# KiCad board panel.kicad_pcb (continued)
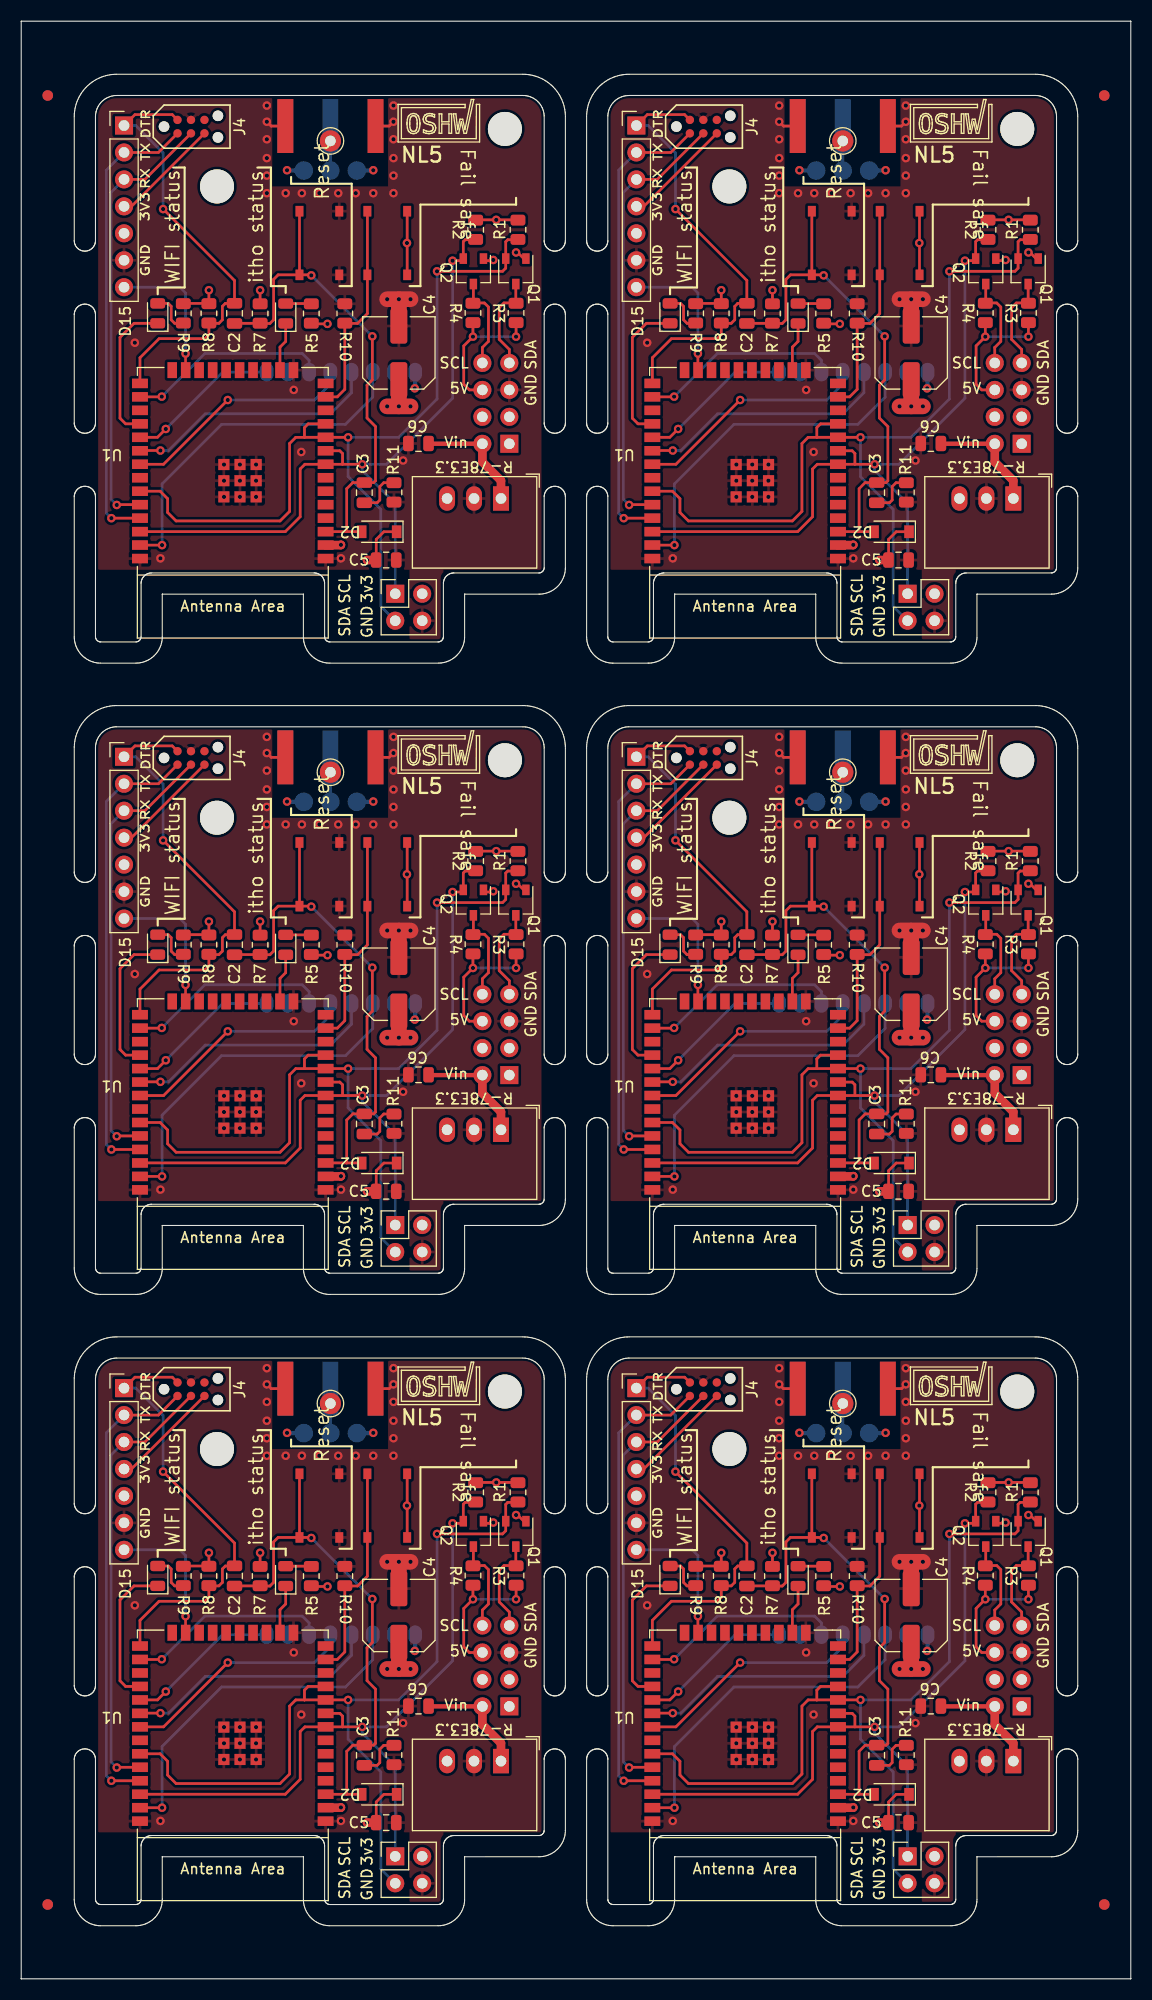
[diagram p0: board, top side]
## Nets (continued)
Board_2-unconnected-(U2-Pad7): U2#3.7
Board_3-+3V3: C4#5.1 C5#2.1 D2#5.1 J1#6.4 J4#5.5 J5#3.2 Q1#5.1 Q2.1 R1#2.2 R2.1 R5#3.1 R7#5.2 R8#6.2 R9.1 R-78E3.3#5.3 SW1#4.2 U1.2 U2.1
Board_3-+5V: J2#3.6 R3.2 R4#6.2
Board_3-+15V: C6#4.1 J2#3.2 R-78E3.3#5.1
Board_3-D0: C2#4.2 J1#6.1 J4#5.2 R8#6.1 U1.25
Board_3-D0/RX0: J1#6.3 J4#5.3 U1.34
Board_3-D1/TX0: J1#6.2 J4#5.1 U1.35
Board_3-D4_IRQ: U1.26 U2.6
Board_3-D5_SS: U1.29 U2.8
Board_3-D13: LED2#3.1 U1.16
Board_3-D15: J1#6.7 U1.23
Board_3-D17: LED1#6.1 U1.28
Board_3-D18_SCK: U1.30 U2.4
Board_3-D19_MISO: U1.31 U2.5
Board_3-D23_MOSI: U1.37 U2.3
Board_3-GND: C4#5.2 C5#2.2 C6#4.2 J1#6.6 J2#3.5 J3#2.2 J4#5.4 J5#3.4 R10#4.1 R11#2.1 R-78E3.3#5.2 SW2#3.1 U1.1 U1.15 U1.38 U1.39 U2.2 U2.9 U2.11
Board_3-Net-(C2-Pad1): C2#4.1 C3#2.2 D2#5.2 R7#5.1 SW2#3.2 U1.3
Board_3-Net-(C3-Pad1): C3#2.1 R11#2.2
Board_3-Net-(H1-Pad1): H1.1 J3#2.1 U2.10
Board_3-Net-(LED1-Pad2): LED1#6.2 R9.2
Board_3-Net-(LED2-Pad2): LED2#3.2 R5#3.2
Board_3-Net-(R10-Pad2): R10#4.2 SW1#4.1 U1.13
Board_3-SCL: J2#3.8 Q2.3 R4#6.1
Board_3-SCL_L: J5#3.1 Q2.2 R2.2 U1.8 U1.9 U1.36
Board_3-SDA: J2#3.7 Q1#5.3 R3.1
Board_3-SDA_L: J5#3.3 Q1#5.2 R1#2.1 U1.10 U1.11 U1.33
Board_3-unconnected-(J1-Pad5): J1#6.5
Board_3-unconnected-(J2-Pad1): J2#3.1
Board_3-unconnected-(J2-Pad3): J2#3.3
Board_3-unconnected-(J2-Pad4): J2#3.4
Board_3-unconnected-(J4-Pad6): J4#5.6
Board_3-unconnected-(U1-Pad4): U1.4
Board_3-unconnected-(U1-Pad5): U1.5
Board_3-unconnected-(U1-Pad6): U1.6
Board_3-unconnected-(U1-Pad7): U1.7
Board_3-unconnected-(U1-Pad12): U1.12
Board_3-unconnected-(U1-Pad14): U1.14
Board_3-unconnected-(U1-Pad17): U1.17
Board_3-unconnected-(U1-Pad18): U1.18
Board_3-unconnected-(U1-Pad19): U1.19
Board_3-unconnected-(U1-Pad20): U1.20
Board_3-unconnected-(U1-Pad21): U1.21
Board_3-unconnected-(U1-Pad22): U1.22
Board_3-unconnected-(U1-Pad24): U1.24
Board_3-unconnected-(U1-Pad27): U1.27
Board_3-unconnected-(U1-Pad32): U1.32
Board_3-unconnected-(U2-Pad7): U2.7
Board_4-+3V3: C4#2.1 C5#4.1 D2#4.1 J1#3.4 J4#4.5 J5#4.2 Q1.1 Q2#5.1 R1#5.2 R2#5.1 R5#5.1 R7.2 R8#4.2 R9#2.1 R-78E3.3#6.3 SW1#6.2 U1#4.2 U2#2.1
Board_4-+5V: J2#5.6 R3#5.2 R4#3.2
Board_4-+15V: C6#2.1 J2#5.2 R-78E3.3#6.1
Board_4-D0: C2#6.2 J1#3.1 J4#4.2 R8#4.1 U1#4.25
Board_4-D0/RX0: J1#3.3 J4#4.3 U1#4.34
Board_4-D1/TX0: J1#3.2 J4#4.1 U1#4.35
Board_4-D4_IRQ: U1#4.26 U2#2.6
Board_4-D5_SS: U1#4.29 U2#2.8
Board_4-D13: LED2#6.1 U1#4.16
Board_4-D15: J1#3.7 U1#4.23
Board_4-D17: LED1#3.1 U1#4.28
Board_4-D18_SCK: U1#4.30 U2#2.4
Board_4-D19_MISO: U1#4.31 U2#2.5
Board_4-D23_MOSI: U1#4.37 U2#2.3
Board_4-GND: C4#2.2 C5#4.2 C6#2.2 J1#3.6 J2#5.5 J3#5.2 J4#4.4 J5#4.4 R10#5.1 R11#3.1 R-78E3.3#6.2 SW2#4.1 U1#4.1 U1#4.15 U1#4.38 U1#4.39 U2#2.2 U2#2.9 U2#2.11
Board_4-Net-(C2-Pad1): C2#6.1 C3#4.2 D2#4.2 R7.1 SW2#4.2 U1#4.3
Board_4-Net-(C3-Pad1): C3#4.1 R11#3.2
Board_4-Net-(H1-Pad1): H1#2.1 J3#5.1 U2#2.10
Board_4-Net-(LED1-Pad2): LED1#3.2 R9#2.2
Board_4-Net-(LED2-Pad2): LED2#6.2 R5#5.2
Board_4-Net-(R10-Pad2): R10#5.2 SW1#6.1 U1#4.13
Board_4-SCL: J2#5.8 Q2#5.3 R4#3.1
Board_4-SCL_L: J5#4.1 Q2#5.2 R2#5.2 U1#4.8 U1#4.9 U1#4.36
Board_4-SDA: J2#5.7 Q1.3 R3#5.1
Board_4-SDA_L: J5#4.3 Q1.2 R1#5.1 U1#4.10 U1#4.11 U1#4.33
Board_4-unconnected-(J1-Pad5): J1#3.5
Board_4-unconnected-(J2-Pad1): J2#5.1
Board_4-unconnected-(J2-Pad3): J2#5.3
Board_4-unconnected-(J2-Pad4): J2#5.4
Board_4-unconnected-(J4-Pad6): J4#4.6
Board_4-unconnected-(U1-Pad4): U1#4.4
Board_4-unconnected-(U1-Pad5): U1#4.5
Board_4-unconnected-(U1-Pad6): U1#4.6
Board_4-unconnected-(U1-Pad7): U1#4.7
Board_4-unconnected-(U1-Pad12): U1#4.12
Board_4-unconnected-(U1-Pad14): U1#4.14
Board_4-unconnected-(U1-Pad17): U1#4.17
Board_4-unconnected-(U1-Pad18): U1#4.18
Board_4-unconnected-(U1-Pad19): U1#4.19
Board_4-unconnected-(U1-Pad20): U1#4.20
Board_4-unconnected-(U1-Pad21): U1#4.21
Board_4-unconnected-(U1-Pad22): U1#4.22
Board_4-unconnected-(U1-Pad24): U1#4.24
Board_4-unconnected-(U1-Pad27): U1#4.27
Board_4-unconnected-(U1-Pad32): U1#4.32
Board_4-unconnected-(U2-Pad7): U2#2.7
Board_5-+3V3: C4#6.1 C5#5.1 D2#2.1 J1.4 J4#3.5 J5.2 Q1#6.1 Q2#2.1 R1#4.2 R2#6.1 R5.1 R7#2.2 R8#3.2 R9#5.1 R-78E3.3#4.3 SW1.2 U1#3.2 U2#4.1
Board_5-+5V: J2#2.6 R3#4.2 R4#5.2
Board_5-+15V: C6#5.1 J2#2.2 R-78E3.3#4.1
Board_5-D0: C2#5.2 J1.1 J4#3.2 R8#3.1 U1#3.25
Board_5-D0/RX0: J1.3 J4#3.3 U1#3.34
Board_5-D1/TX0: J1.2 J4#3.1 U1#3.35
Board_5-D4_IRQ: U1#3.26 U2#4.6
Board_5-D5_SS: U1#3.29 U2#4.8
Board_5-D13: LED2.1 U1#3.16
Board_5-D15: J1.7 U1#3.23
Board_5-D17: LED1#4.1 U1#3.28
Board_5-D18_SCK: U1#3.30 U2#4.4
Board_5-D19_MISO: U1#3.31 U2#4.5
Board_5-D23_MOSI: U1#3.37 U2#4.3
Board_5-GND: C4#6.2 C5#5.2 C6#5.2 J1.6 J2#2.5 J3#3.2 J4#3.4 J5.4 R10#2.1 R11#6.1 R-78E3.3#4.2 SW2#2.1 U1#3.1 U1#3.15 U1#3.38 U1#3.39 U2#4.2 U2#4.9 U2#4.11
Board_5-Net-(C2-Pad1): C2#5.1 C3.2 D2#2.2 R7#2.1 SW2#2.2 U1#3.3
Board_5-Net-(C3-Pad1): C3.1 R11#6.2
Board_5-Net-(H1-Pad1): H1#3.1 J3#3.1 U2#4.10
Board_5-Net-(LED1-Pad2): LED1#4.2 R9#5.2
Board_5-Net-(LED2-Pad2): LED2.2 R5.2
Board_5-Net-(R10-Pad2): R10#2.2 SW1.1 U1#3.13
Board_5-SCL: J2#2.8 Q2#2.3 R4#5.1
Board_5-SCL_L: J5.1 Q2#2.2 R2#6.2 U1#3.8 U1#3.9 U1#3.36
Board_5-SDA: J2#2.7 Q1#6.3 R3#4.1
Board_5-SDA_L: J5.3 Q1#6.2 R1#4.1 U1#3.10 U1#3.11 U1#3.33
Board_5-unconnected-(J1-Pad5): J1.5
Board_5-unconnected-(J2-Pad1): J2#2.1
Board_5-unconnected-(J2-Pad3): J2#2.3
Board_5-unconnected-(J2-Pad4): J2#2.4
Board_5-unconnected-(J4-Pad6): J4#3.6
Board_5-unconnected-(U1-Pad4): U1#3.4
Board_5-unconnected-(U1-Pad5): U1#3.5
Board_5-unconnected-(U1-Pad6): U1#3.6
Board_5-unconnected-(U1-Pad7): U1#3.7
Board_5-unconnected-(U1-Pad12): U1#3.12
Board_5-unconnected-(U1-Pad14): U1#3.14
Board_5-unconnected-(U1-Pad17): U1#3.17
Board_5-unconnected-(U1-Pad18): U1#3.18
Board_5-unconnected-(U1-Pad19): U1#3.19
Board_5-unconnected-(U1-Pad20): U1#3.20
Board_5-unconnected-(U1-Pad21): U1#3.21
Board_5-unconnected-(U1-Pad22): U1#3.22
Board_5-unconnected-(U1-Pad24): U1#3.24
Board_5-unconnected-(U1-Pad27): U1#3.27
Board_5-unconnected-(U1-Pad32): U1#3.32
Board_5-unconnected-(U2-Pad7): U2#4.7

## Via types
v1: diameter 0.8, hole 0.4, Top to Bottom, 408 vias

## Routing (per net, layer and track width the routed paths; a pad name or vN(x,y) marks a point on that pad's centre or on a via; arc(x,y) is an arc through that point)
Board_0-+3V3: length 41.8
  Top w0.25: J4#6.5 10.39,167.05 J1#5.4 ; 33.47,133.72 33.47,135.66 34.19,136.38 D2.1
  Top w0.254: v1(46.65,162.71) 46.8,162.71 47.57,161.93 ; v1(17.69,159.15) 17.69,157.9 15.28,157.9 ; 42.84,165.78 v1(44.78,165.78) 46.83,165.78 ; v1(28.87,155.98) 27.38,155.98 27.35,156.01 ; v1(44.5,162) 44.43,161.93 43.58,161.93 ; 22.52,157.89 v1(22.52,159.15) ; SW1#5.2 SW1#5.2
  Top w0.813: 33.47,133.72 32.6,133.72 ; v1(30.14,135.15) 30.12,135.12 U1#6.2
  Top w1.473: v1(36.7,148.2) v1(34.5,148.2) ; C4#3.1 v1(35.6,148.2)
  Bottom w0.406: v1(37.1,149.9) 37.14,149.94 U2#5.1
  vias: v1(32.6,133.72) v1(36.36,163.6)
Board_0-+5V: length 13.5
  Top w0.254: 46.65,156.07 v1(46.65,154.77) ; 42.59,156.07 v1(42.59,154.77) 41.72,153.9 41.72,150.28 42.25,149.75 J2#6.6
  Bottom w0.254: v1(46.65,154.77) v1(42.59,154.77)
Board_0-+15V: length 11
  Top w0.406: C6#3.1 38.43,144.67 J2#6.2
  Top w0.813: J2#6.2 43.48,142.96 45.23,141.21 R-78E3.3.1
Board_0-D0: length 42.2
  Top w0.25: J1#5.1 10.72,175.7 14.24,175.7 J4#6.2
  Top w0.254: U1#6.25 11.2,152.78 13,154.58 17.31,154.58 17.69,154.96 17.69,156.03 18.64,156.03 18.96,156.36 18.96,157.63 19.24,157.9 20.11,157.9 20.11,160.07 v1(13.38,166.8)
  Bottom w0.254: v1(13.38,166.8) 13.38,172.09 10.8,174.67 J1#5.1
Board_0-D0/RX0: length 41.6
  Top w0.25: 15.93,173.86 11.66,169.59 J1#5.3
  Top w0.254: U1#6.34 9.03,138.93
  Bottom w0.25: J1#5.3 8.47,168.36 8.47,139.45 v1(9.01,138.91)
Board_0-D1/TX0: length 43.8
  Top w0.25: J1#5.2 12.93,172.13 J4#6.1
  Top w0.254: v1(8.5,137.66) 11.19,137.66 U1#6.35
  Bottom w0.25: J1#5.2 8.02,170.45 8.02,138.15 v1(8.5,137.66)
Board_0-D4_IRQ: length 19
  Top w0.254: v1(13.25,149.12) 13.23,149.09 U1#6.26
  Bottom w0.254: U2#5.6 27.14,152.54 26.49,153.18 17.31,153.18 v1(13.25,149.12)
Board_0-D5_SS: length 14.5
  Top w0.254: U1#6.29 12.84,145.28 v1(13.63,146.07)
  Bottom w0.254: U2#5.8 18.99,151.43 v1(13.63,146.07)
Board_0-D13: length 4.6
  Top w0.254: U1#6.16 24.4,153.79 24.93,154.32 LED2#2.1
Board_0-D15: length 13.3
  Top w0.25: U1#6.23 15.49,151.63 v1(15.49,153.17)
  Bottom w0.25: v1(15.49,153.17) 15.49,158.89 14.95,159.43 J1#5.7
Board_0-D17: length 13.8
  Top w0.254: U1#6.28 9.84,146.55 9.31,147.09 9.31,154.71 10.64,156.03 LED1#5.1
Board_0-D18_SCK: length 24.2
  Top w0.254: v1(13.12,144.04) 11.22,144.04 U1#6.30
  Bottom w0.254: U2#5.4 31.14,149.48 29.16,147.5 17.35,147.5 13.88,144.04 v1(13.12,144.04)
Board_0-D19_MISO: length 22
  Top w0.254: v1(19.47,148.8) 13.41,142.74 11.45,142.74
  Bottom w0.254: U2#5.5 29.14,150.3 27.64,148.8 v1(19.47,148.8)
Board_0-D23_MOSI: length 33.5
  Top w0.254: v1(13.28,135.12) 11.2,135.12 U1#6.37
  Bottom w0.254: U2#5.3 33.14,149.07 30.57,146.5 18.89,146.5 13.28,140.89 v1(13.28,135.12)
Board_0-GND: length 15.4
  Top w0.25: v1(23.16,175.03) 23.56,174.62 J3#6.2 ; v1(35.09,175.03) 34.69,174.62 J3#6.2
  Top w1.473: v1(36.7,158.3) v1(34.5,158.3) ; C4#3.2 v1(35.6,158.3)
  Bottom w0.25: J3#6.2 34.69,174.62 v1(35.09,175.03) ; J3#6.2 23.56,174.62 v1(23.16,175.03)
  Bottom w0.406: v1(25.06,170.45) 25.09,170.43 26.64,170.43 ; 31.64,170.43 33.16,170.43 v1(33.19,170.45)
  vias: v1(10.71,154.2) v1(13.12,133.88) v1(19.12,142.72) v1(19.12,141.19) v1(19.12,139.67) v1(20.62,142.72) v1(20.62,141.19) v1(20.62,139.67) v1(22.14,142.72) v1(22.14,141.19) v1(22.14,139.67) v1(23.16,176.55) v1(23.16,173.38) v1(23.16,171.6) v1(23.16,169.95) v1(23.16,168.3) v1(24.93,168.3) v1(25.7,149.75) v1(26.4,143.9) v1(26.46,168.3) v1(28.11,168.3) v1(29.89,168.3) v1(30.14,133.88) v1(31.54,168.3) v1(33.19,168.3) v1(35.09,176.55) v1(35.09,173.38) v1(35.09,171.6) v1(35.09,169.95) v1(35.09,168.3) v1(36,143.1)
Board_0-Net-(C2-Pad1): length 50.2
  Top w0.25: 30.69,136.39 30.69,140.44 31.26,141.02 C3#6.2 33.23,141.02 33.4,141.19 33.4,146.3 ; 30.69,136.39 32.08,136.39 D2.2 ; 30.69,136.39 28.7,136.39 U1#6.3
  Top w0.254: 20.11,156.03 22.51,156.03 22.52,156.01 23.45,156.01 23.79,156.36 23.79,160.17 24.22,160.6 SW2#5.2 ; 33.4,146.3 32.6,147.1 32.6,150.2 33.1,150.7 v1(33.1,154.8) ; SW2#5.2 SW2#5.2 ; SW2#5.2 27.3,160.6 v1(27.35,160.55)
  Bottom w0.254: v1(33.1,154.8) 27.35,160.55 v1(27.35,160.55)
Board_0-Net-(C3-Pad1): length 4.3
  Top w0.25: R11#4.2 34.17,141 33.81,140.64 33.81,139.37 33.55,139.12 C3#6.1
Board_0-Net-(H1-Pad1): length 4.2
  Bottom w0.293: J3#6.1 29.14,174.61 29.14,170.43
Board_0-Net-(LED1-Pad2): length 3.9
  Top w0.254: LED1#5.2 13.86,157.9 14.14,157.63 14.14,156.36 14.47,156.03 15.28,156.03
Board_0-Net-(LED2-Pad2): length 2.4
  Top w0.254: LED2#2.2 27.35,157.89
Board_0-Net-(R10-Pad2): length 20.5
  Top w0.254: SW1#5.1 SW1#5.1 32.63,156.95 31.71,156.02 30.5,156.02 30.5,149.8 29.79,149.09 U1#6.13
Board_0-SCL: length 9.1
  Top w0.254: 42.63,159.93 42.63,157.99 42.59,157.94 43.67,157.94 44.05,157.56 44.05,154.32 43.48,153.75 J2#6.8
Board_0-SCL_L: length 70.3
  Top w0.254: 30.29,142.74 28.7,142.74 U1#6.8 26.74,142.74 26.3,142.3 26.3,137.8 24.89,136.39 11.45,136.39 ; 30.29,142.74 30.29,143.76 30.04,144.01 U1#6.9 ; 30.29,142.74 v1(32.14,142.74) ; v1(40.66,161.93) 41.68,161.93 41.68,163.73 41.85,163.91 42.84,163.91
  Bottom w0.254: v1(40.66,161.93) 40.66,148.97 34.44,142.74 v1(32.14,142.74) 32.14,142.16 35.26,139.04 J5#6.1
Board_0-SDA: length 9.4
  Top w0.254: 46.62,159.93 46.62,157.97 46.65,157.94 45.51,157.94 45.06,157.5 45.06,154.52 46.02,153.56 J2#6.7
Board_0-SDA_L: length 83
  Top w0.254: U1#6.11 27.05,146.55 26.7,146.2 26.7,145.28 ; 46.83,163.91 45.87,163.91 45.67,163.71 45.67,161.22 45.38,160.93 v1(39.2,160.93) ; U1#6.33 13.1,140.2 13.8,139.5 13.8,138.2 14.6,137.4 24.4,137.4 25.3,138.3 25.3,144.7 25.88,145.28 26.7,145.28 ; 26.7,145.28 26.7,145.28 30.82,145.28 v1(30.82,145.28)
  Bottom w0.254: v1(39.2,160.93) 39.2,148.9 35.58,145.28 v1(30.82,145.28) 30.82,141.58 33.9,138.5 33.9,129.36 J5#6.3
Board_1-+3V3: length 41.8
  Top w0.25: J4.5 58.69,167.05 J1#2.4 ; 81.77,133.72 81.77,135.66 82.49,136.38 D2#6.1
  Top w0.254: v1(94.95,162.71) 95.1,162.71 95.87,161.93 ; v1(65.99,159.15) 65.99,157.9 63.58,157.9 ; 91.14,165.78 v1(93.08,165.78) 95.13,165.78 ; v1(77.17,155.98) 75.69,155.98 75.65,156.01 ; v1(92.8,162) 92.73,161.93 91.88,161.93 ; 70.82,157.89 v1(70.82,159.15) ; SW1#2.2 SW1#2.2
  Top w0.813: 81.77,133.72 80.9,133.72 ; v1(78.44,135.15) 78.42,135.12 U1#2.2
  Top w1.473: v1(85,148.2) v1(82.8,148.2) ; C4.1 v1(83.9,148.2)
  Bottom w0.406: v1(85.4,149.9) 85.44,149.94 U2#6.1
  vias: v1(80.9,133.72) v1(84.66,163.6)
Board_1-+5V: length 13.5
  Top w0.254: 94.95,156.07 v1(94.95,154.77) ; 90.89,156.07 v1(90.89,154.77) 90.02,153.9 90.02,150.28 90.55,149.75 91.78,149.75
  Bottom w0.254: v1(94.95,154.77) v1(90.89,154.77)
Board_1-+15V: length 11
  Top w0.406: C6.1 86.73,144.67 91.78,144.67
  Top w0.813: 91.78,144.67 91.78,142.96 93.53,141.21 R-78E3.3#3.1
Board_1-D0: length 42.2
  Top w0.25: J1#2.1 59.02,175.7 62.54,175.7 J4.2
  Top w0.254: U1#2.25 59.5,152.78 61.3,154.58 65.61,154.58 65.99,154.96 65.99,156.03 66.94,156.03 67.26,156.36 67.26,157.63 67.54,157.9 68.41,157.9 68.41,160.07 v1(61.68,166.8)
  Bottom w0.254: v1(61.68,166.8) 61.68,172.09 59.1,174.67 J1#2.1
Board_1-D0/RX0: length 41.6
  Top w0.25: 64.23,173.86 59.96,169.59 J1#2.3
  Top w0.254: U1#2.34 57.33,138.93
  Bottom w0.25: J1#2.3 56.77,168.36 56.77,139.45 v1(57.31,138.91)
Board_1-D1/TX0: length 43.8
  Top w0.25: J1#2.2 61.23,172.13 J4.1
  Top w0.254: v1(56.8,137.66) 59.49,137.66 U1#2.35
  Bottom w0.25: J1#2.2 56.32,170.45 56.32,138.15 v1(56.8,137.66)
Board_1-D4_IRQ: length 19
  Top w0.254: v1(61.55,149.12) 61.53,149.09 U1#2.26
  Bottom w0.254: U2#6.6 75.44,152.54 74.79,153.18 65.61,153.18 v1(61.55,149.12)
Board_1-D5_SS: length 14.5
  Top w0.254: U1#2.29 61.14,145.28 v1(61.93,146.07)
  Bottom w0.254: U2#6.8 67.29,151.43 v1(61.93,146.07)
Board_1-D13: length 4.6
  Top w0.254: U1#2.16 72.7,153.79 73.23,154.32 LED2#4.1
Board_1-D15: length 13.3
  Top w0.25: U1#2.23 63.79,151.63 v1(63.79,153.17)
  Bottom w0.25: v1(63.79,153.17) 63.79,158.89 63.25,159.43 J1#2.7
Board_1-D17: length 13.8
  Top w0.254: U1#2.28 58.14,146.55 57.61,147.09 57.61,154.71 58.94,156.03 LED1.1
Board_1-D18_SCK: length 24.2
  Top w0.254: v1(61.42,144.04) 59.52,144.04 U1#2.30
  Bottom w0.254: U2#6.4 79.44,149.48 77.46,147.5 65.65,147.5 62.18,144.04 v1(61.42,144.04)
Board_1-D19_MISO: length 22
  Top w0.254: v1(67.77,148.8) 61.71,142.74 59.75,142.74
  Bottom w0.254: U2#6.5 77.44,150.3 75.94,148.8 v1(67.77,148.8)
Board_1-D23_MOSI: length 33.5
  Top w0.254: v1(61.58,135.12) 59.5,135.12 U1#2.37
  Bottom w0.254: U2#6.3 81.44,149.07 78.87,146.5 67.19,146.5 61.58,140.89 v1(61.58,135.12)
Board_1-GND: length 15.4
  Top w0.25: v1(71.45,175.03) 71.86,174.62 J3#4.2 ; v1(83.39,175.03) 82.99,174.62 J3#4.2
  Top w1.473: v1(85,158.3) v1(82.8,158.3) ; C4.2 v1(83.9,158.3)
  Bottom w0.25: J3#4.2 82.99,174.62 v1(83.39,175.03) ; J3#4.2 71.86,174.62 v1(71.45,175.03)
  Bottom w0.406: v1(73.36,170.45) 73.39,170.43 74.94,170.43 ; 79.94,170.43 81.46,170.43 v1(81.49,170.45)
  vias: v1(59.01,154.2) v1(61.42,133.88) v1(67.42,142.72) v1(67.42,141.19) v1(67.42,139.67) v1(68.92,142.72) v1(68.92,141.19) v1(68.92,139.67) v1(70.44,142.72) v1(70.44,141.19) v1(70.44,139.67) v1(71.45,176.55) v1(71.45,173.38) v1(71.45,171.6) v1(71.45,169.95) v1(71.45,168.3) v1(73.23,168.3) v1(74,149.75) v1(74.7,143.9) v1(74.76,168.3) v1(76.41,168.3) v1(78.19,168.3) v1(78.44,133.88) v1(79.84,168.3) v1(81.49,168.3) v1(83.39,176.55) v1(83.39,173.38) v1(83.39,171.6) v1(83.39,169.95) v1(83.39,168.3) v1(84.3,143.1)
Board_1-Net-(C2-Pad1): length 50.2
  Top w0.25: 78.99,136.39 78.99,140.44 79.56,141.02 C3#3.2 81.53,141.02 81.7,141.19 81.7,146.3 ; 78.99,136.39 80.38,136.39 D2#6.2 ; 78.99,136.39 77,136.39 U1#2.3
  Top w0.254: 68.41,156.03 70.81,156.03 70.82,156.01 71.75,156.01 72.09,156.36 72.09,160.17 72.52,160.6 SW2.2 ; 81.7,146.3 80.9,147.1 80.9,150.2 81.4,150.7 v1(81.4,154.8) ; SW2.2 SW2.2 ; SW2.2 75.6,160.6 v1(75.65,160.55)
  Bottom w0.254: v1(81.4,154.8) 75.65,160.55 v1(75.65,160.55)
Board_1-Net-(C3-Pad1): length 4.3
  Top w0.25: R11#5.2 82.47,141 82.11,140.64 82.11,139.37 81.85,139.12 C3#3.1
Board_1-Net-(H1-Pad1): length 4.2
  Bottom w0.293: J3#4.1 77.44,174.61 77.44,170.43
Board_1-Net-(LED1-Pad2): length 3.9
  Top w0.254: LED1.2 62.16,157.9 62.44,157.63 62.44,156.36 62.77,156.03 63.58,156.03
Board_1-Net-(LED2-Pad2): length 2.4
  Top w0.254: LED2#4.2 75.65,157.89
Board_1-Net-(R10-Pad2): length 20.5
  Top w0.254: SW1#2.1 SW1#2.1 80.93,156.95 80.01,156.02 78.8,156.02 78.8,149.8 78.09,149.09 U1#2.13
Board_1-SCL: length 9.1
  Top w0.254: 90.93,159.93 90.93,157.99 90.89,157.94 91.97,157.94 92.35,157.56 92.35,154.32 91.78,153.75 91.78,152.29
Board_1-SCL_L: length 70.3
  Top w0.254: 78.59,142.74 77,142.74 U1#2.8 75.04,142.74 74.6,142.3 74.6,137.8 73.19,136.39 59.75,136.39 ; 78.59,142.74 78.59,143.76 78.34,144.01 U1#2.9 ; 78.59,142.74 v1(80.44,142.74) ; v1(88.97,161.93) 89.98,161.93 89.98,163.73 90.15,163.91 91.14,163.91
  Bottom w0.254: v1(88.97,161.93) 88.97,148.97 82.74,142.74 v1(80.44,142.74) 80.44,142.16 83.56,139.04 J5#2.1
Board_1-SDA: length 9.4
  Top w0.254: 94.92,159.93 94.92,157.97 94.95,157.94 93.81,157.94 93.36,157.5 93.36,154.52 94.31,153.56 J2.7
Board_1-SDA_L: length 83
  Top w0.254: U1#2.11 75.35,146.55 75,146.2 75,145.28 ; 95.13,163.91 94.17,163.91 93.97,163.71 93.97,161.22 93.68,160.93 v1(87.5,160.93) ; U1#2.33 61.4,140.2 62.1,139.5 62.1,138.2 62.9,137.4 72.7,137.4 73.6,138.3 73.6,144.7 74.18,145.28 75,145.28 ; 75,145.28 75,145.28 79.12,145.28 v1(79.12,145.28)
  Bottom w0.254: v1(87.5,160.93) 87.5,148.9 83.88,145.28 v1(79.12,145.28) 79.12,141.58 82.2,138.5 82.2,129.36 J5#2.3
Board_2-+3V3: length 41.8
  Top w0.25: J4#2.5 10.39,107.55 J1#4.4 ; 33.47,74.22 33.47,76.16 34.19,76.88 D2#3.1
  Top w0.254: v1(46.65,103.21) 46.8,103.21 47.57,102.43 ; v1(17.69,99.65) 17.69,98.4 15.28,98.4 ; 42.84,106.28 v1(44.78,106.28) 46.83,106.28 ; v1(28.87,96.48) 27.38,96.48 27.35,96.52 ; v1(44.5,102.5) 44.43,102.43 43.58,102.43 ; 22.52,98.39 v1(22.52,99.65) ; SW1#3.2 SW1#3.2
  Top w0.813: 33.47,74.22 32.6,74.22 ; v1(30.14,75.65) 30.12,75.62 U1#5.2
  Top w1.473: v1(36.7,88.7) v1(34.5,88.7) ; C4#4.1 v1(35.6,88.7)
  Bottom w0.406: v1(37.1,90.4) 37.14,90.44 U2#3.1
  vias: v1(32.6,74.22) v1(36.36,104.1)
Board_2-+5V: length 13.5
  Top w0.254: 46.65,96.57 v1(46.65,95.27) ; 42.59,96.57 v1(42.59,95.27) 41.72,94.4 41.72,90.78 42.25,90.25 J2#4.6
  Bottom w0.254: v1(46.65,95.27) v1(42.59,95.27)
Board_2-+15V: length 11
  Top w0.406: C6#6.1 38.43,85.17 J2#4.2
  Top w0.813: J2#4.2 43.48,83.46 45.23,81.71 R-78E3.3#2.1
Board_2-D0: length 42.2
  Top w0.25: J1#4.1 10.72,116.2 14.24,116.2 J4#2.2
  Top w0.254: U1#5.25 11.2,93.28 13,95.08 17.31,95.08 17.69,95.46 17.69,96.53 18.64,96.53 18.96,96.86 18.96,98.13 19.24,98.4 20.11,98.4 20.11,100.57 v1(13.38,107.3)
  Bottom w0.254: v1(13.38,107.3) 13.38,112.59 10.8,115.17 J1#4.1
Board_2-D0/RX0: length 41.6
  Top w0.25: 15.93,114.36 11.66,110.09 J1#4.3
  Top w0.254: U1#5.34 9.03,79.43
  Bottom w0.25: J1#4.3 8.47,108.86 8.47,79.95 v1(9.01,79.41)
Board_2-D1/TX0: length 43.8
  Top w0.25: J1#4.2 12.93,112.63 J4#2.1
  Top w0.254: v1(8.5,78.16) 11.19,78.16 U1#5.35
  Bottom w0.25: J1#4.2 8.02,110.95 8.02,78.65 v1(8.5,78.16)
Board_2-D4_IRQ: length 19
  Top w0.254: v1(13.25,89.62) 13.23,89.59 U1#5.26
  Bottom w0.254: U2#3.6 27.14,93.04 26.49,93.68 17.31,93.68 v1(13.25,89.62)
Board_2-D5_SS: length 14.5
  Top w0.254: U1#5.29 12.84,85.78 v1(13.63,86.57)
  Bottom w0.254: U2#3.8 18.99,91.93 v1(13.63,86.57)
Board_2-D13: length 4.6
  Top w0.254: U1#5.16 24.4,94.29 24.93,94.83 LED2#5.1
Board_2-D15: length 13.3
  Top w0.25: U1#5.23 15.49,92.13 v1(15.49,93.67)
  Bottom w0.25: v1(15.49,93.67) 15.49,99.39 14.95,99.93 J1#4.7
Board_2-D17: length 13.8
  Top w0.254: U1#5.28 9.84,87.05 9.31,87.59 9.31,95.21 10.64,96.53 LED1#2.1
Board_2-D18_SCK: length 24.2
  Top w0.254: v1(13.12,84.54) 11.22,84.54 U1#5.30
  Bottom w0.254: U2#3.4 31.14,89.98 29.16,88 17.35,88 13.88,84.54 v1(13.12,84.54)
Board_2-D19_MISO: length 22
  Top w0.254: v1(19.47,89.3) 13.41,83.24 11.45,83.24
  Bottom w0.254: U2#3.5 29.14,90.8 27.64,89.3 v1(19.47,89.3)
Board_2-D23_MOSI: length 33.5
  Top w0.254: v1(13.28,75.62) 11.2,75.62 U1#5.37
  Bottom w0.254: U2#3.3 33.14,89.57 30.57,87 18.89,87 13.28,81.39 v1(13.28,75.62)
Board_2-GND: length 15.4
  Top w0.25: v1(23.16,115.53) 23.56,115.12 J3.2 ; v1(35.09,115.53) 34.69,115.12 J3.2
  Top w1.473: v1(36.7,98.8) v1(34.5,98.8) ; 35.6,96.28 v1(35.6,98.8)
  Bottom w0.25: J3.2 34.69,115.12 v1(35.09,115.53) ; J3.2 23.56,115.12 v1(23.16,115.53)
  Bottom w0.406: v1(25.06,110.95) 25.09,110.93 U2#3.9 ; U2#3.11 33.16,110.93 v1(33.19,110.95)
  vias: v1(10.71,94.7) v1(13.12,74.38) v1(19.12,83.22) v1(19.12,81.69) v1(19.12,80.17) v1(20.62,83.22) v1(20.62,81.69) v1(20.62,80.17) v1(22.14,83.22) v1(22.14,81.69) v1(22.14,80.17) v1(23.16,117.05) v1(23.16,113.88) v1(23.16,112.1) v1(23.16,110.45) v1(23.16,108.8) v1(24.93,108.8) v1(25.7,90.25) v1(26.4,84.4) v1(26.46,108.8) v1(28.11,108.8) v1(29.89,108.8) v1(30.14,74.38) v1(31.54,108.8) v1(33.19,108.8) v1(35.09,117.05) v1(35.09,113.88) v1(35.09,112.1) v1(35.09,110.45) v1(35.09,108.8) v1(36,83.6)
Board_2-Net-(C2-Pad1): length 50.2
  Top w0.25: 30.69,76.89 30.69,80.94 31.26,81.52 C3#5.2 33.23,81.52 33.4,81.69 33.4,86.8 ; 30.69,76.89 32.08,76.89 D2#3.2 ; 30.69,76.89 28.7,76.89 U1#5.3
  Top w0.254: 20.11,96.53 22.51,96.53 22.52,96.52 23.45,96.52 23.79,96.86 23.79,100.67 24.22,101.1 SW2#6.2 ; 33.4,86.8 32.6,87.6 32.6,90.7 33.1,91.2 v1(33.1,95.3) ; SW2#6.2 SW2#6.2 ; SW2#6.2 27.3,101.1 v1(27.35,101.05)
  Bottom w0.254: v1(33.1,95.3) 27.35,101.05 v1(27.35,101.05)
Board_2-Net-(C3-Pad1): length 4.3
  Top w0.25: R11.2 34.17,81.5 33.81,81.14 33.81,79.87 33.55,79.62 C3#5.1
Board_2-Net-(H1-Pad1): length 4.2
  Bottom w0.293: J3.1 29.14,115.11 U2#3.10
Board_2-Net-(LED1-Pad2): length 3.9
  Top w0.254: LED1#2.2 13.86,98.4 14.14,98.13 14.14,96.86 14.47,96.53 15.28,96.53
Board_2-Net-(LED2-Pad2): length 2.4
  Top w0.254: LED2#5.2 27.35,98.39
Board_2-Net-(R10-Pad2): length 20.5
  Top w0.254: SW1#3.1 SW1#3.1 32.63,97.45 31.71,96.52 30.5,96.52 30.5,90.3 29.79,89.59 U1#5.13
Board_2-SCL: length 9.1
  Top w0.254: 42.63,100.43 42.63,98.49 42.59,98.44 43.67,98.44 44.05,98.06 44.05,94.83 43.48,94.25 J2#4.8
Board_2-SCL_L: length 70.3
  Top w0.254: 30.29,83.24 28.7,83.24 U1#5.8 26.74,83.24 26.3,82.8 26.3,78.3 24.89,76.89 11.45,76.89 ; 30.29,83.24 30.29,84.26 30.04,84.51 U1#5.9 ; 30.29,83.24 v1(32.14,83.24) ; v1(40.66,102.43) 41.68,102.43 41.68,104.23 41.85,104.41 42.84,104.41
  Bottom w0.254: v1(40.66,102.43) 40.66,89.47 34.44,83.24 v1(32.14,83.24) 32.14,82.66 35.26,79.54 J5#5.1
Board_2-SDA: length 9.4
  Top w0.254: 46.62,100.43 46.62,98.47 46.65,98.44 45.51,98.44 45.06,98 45.06,95.02 46.02,94.06 J2#4.7
Board_2-SDA_L: length 83
  Top w0.254: U1#5.11 27.05,87.05 26.7,86.7 26.7,85.78 ; 46.83,104.41 45.87,104.41 45.67,104.21 45.67,101.72 45.38,101.43 v1(39.2,101.43) ; U1#5.33 13.1,80.7 13.8,80 13.8,78.7 14.6,77.9 24.4,77.9 25.3,78.8 25.3,85.2 25.88,85.78 26.7,85.78 ; 26.7,85.78 26.7,85.78 30.82,85.78 v1(30.82,85.78)
  Bottom w0.254: v1(39.2,101.43) 39.2,89.4 35.58,85.78 v1(30.82,85.78) 30.82,82.08 33.9,79 33.9,69.86 J5#5.3
Board_3-+3V3: length 41.8
  Top w0.25: J4#5.5 58.69,107.55 J1#6.4 ; 81.77,74.22 81.77,76.16 82.49,76.88 D2#5.1
  Top w0.254: v1(94.95,103.21) 95.1,103.21 95.87,102.43 ; v1(65.99,99.65) 65.99,98.4 63.58,98.4 ; 91.14,106.28 v1(93.08,106.28) 95.13,106.28 ; v1(77.17,96.48) 75.69,96.48 75.65,96.52 ; v1(92.8,102.5) 92.73,102.43 91.88,102.43 ; 70.82,98.39 v1(70.82,99.65) ; SW1#4.2 SW1#4.2
  Top w0.813: 81.77,74.22 80.9,74.22 ; v1(78.44,75.65) 78.42,75.62 U1.2
  Top w1.473: v1(85,88.7) v1(82.8,88.7) ; C4#5.1 v1(83.9,88.7)
  Bottom w0.406: v1(85.4,90.4) 85.44,90.44 U2.1
  vias: v1(80.9,74.22) v1(84.66,104.1)
Board_3-+5V: length 13.5
  Top w0.254: 94.95,96.57 v1(94.95,95.27) ; 90.89,96.57 v1(90.89,95.27) 90.02,94.4 90.02,90.78 90.55,90.25 91.78,90.25
  Bottom w0.254: v1(94.95,95.27) v1(90.89,95.27)
Board_3-+15V: length 11
  Top w0.406: C6#4.1 86.73,85.17 91.78,85.17
  Top w0.813: 91.78,85.17 91.78,83.46 93.53,81.71 R-78E3.3#5.1
Board_3-D0: length 42.2
  Top w0.25: J1#6.1 59.02,116.2 62.54,116.2 J4#5.2
  Top w0.254: U1.25 59.5,93.28 61.3,95.08 65.61,95.08 65.99,95.46 65.99,96.53 66.94,96.53 67.26,96.86 67.26,98.13 67.54,98.4 68.41,98.4 68.41,100.57 v1(61.68,107.3)
  Bottom w0.254: v1(61.68,107.3) 61.68,112.59 59.1,115.17 J1#6.1
Board_3-D0/RX0: length 41.6
  Top w0.25: 64.23,114.36 59.96,110.09 J1#6.3
  Top w0.254: U1.34 57.33,79.43
  Bottom w0.25: J1#6.3 56.77,108.86 56.77,79.95 v1(57.31,79.41)
Board_3-D1/TX0: length 43.8
  Top w0.25: J1#6.2 61.23,112.63 J4#5.1
  Top w0.254: v1(56.8,78.16) 59.49,78.16 U1.35
  Bottom w0.25: J1#6.2 56.32,110.95 56.32,78.65 v1(56.8,78.16)
Board_3-D4_IRQ: length 19
  Top w0.254: v1(61.55,89.62) 61.53,89.59 U1.26
  Bottom w0.254: U2.6 75.44,93.04 74.79,93.68 65.61,93.68 v1(61.55,89.62)
Board_3-D5_SS: length 14.5
  Top w0.254: U1.29 61.14,85.78 v1(61.93,86.57)
  Bottom w0.254: U2.8 67.29,91.93 v1(61.93,86.57)
Board_3-D13: length 4.6
  Top w0.254: U1.16 72.7,94.29 73.23,94.83 LED2#3.1
Board_3-D15: length 13.3
  Top w0.25: U1.23 63.79,92.13 v1(63.79,93.67)
  Bottom w0.25: v1(63.79,93.67) 63.79,99.39 63.25,99.93 J1#6.7
Board_3-D17: length 13.8
  Top w0.254: U1.28 58.14,87.05 57.61,87.59 57.61,95.21 58.94,96.53 LED1#6.1
Board_3-D18_SCK: length 24.2
  Top w0.254: v1(61.42,84.54) 59.52,84.54 U1.30
  Bottom w0.254: U2.4 79.44,89.98 77.46,88 65.65,88 62.18,84.54 v1(61.42,84.54)
Board_3-D19_MISO: length 22
  Top w0.254: v1(67.77,89.3) 61.71,83.24 59.75,83.24
  Bottom w0.254: U2.5 77.44,90.8 75.94,89.3 v1(67.77,89.3)
Board_3-D23_MOSI: length 33.5
  Top w0.254: v1(61.58,75.62) 59.5,75.62 U1.37
  Bottom w0.254: U2.3 81.44,89.57 78.87,87 67.19,87 61.58,81.39 v1(61.58,75.62)
Board_3-GND: length 15.4
  Top w0.25: v1(71.45,115.53) 71.86,115.12 J3#2.2 ; v1(83.39,115.53) 82.99,115.12 J3#2.2
  Top w1.473: v1(85,98.8) v1(82.8,98.8) ; 83.9,96.28 v1(83.9,98.8)
  Bottom w0.25: J3#2.2 82.99,115.12 v1(83.39,115.53) ; J3#2.2 71.86,115.12 v1(71.45,115.53)
  Bottom w0.406: v1(73.36,110.95) 73.39,110.93 U2.9 ; U2.11 81.46,110.93 v1(81.49,110.95)
  vias: v1(59.01,94.7) v1(61.42,74.38) v1(67.42,83.22) v1(67.42,81.69) v1(67.42,80.17) v1(68.92,83.22) v1(68.92,81.69) v1(68.92,80.17) v1(70.44,83.22) v1(70.44,81.69) v1(70.44,80.17) v1(71.45,117.05) v1(71.45,113.88) v1(71.45,112.1) v1(71.45,110.45) v1(71.45,108.8) v1(73.23,108.8) v1(74,90.25) v1(74.7,84.4) v1(74.76,108.8) v1(76.41,108.8) v1(78.19,108.8) v1(78.44,74.38) v1(79.84,108.8) v1(81.49,108.8) v1(83.39,117.05) v1(83.39,113.88) v1(83.39,112.1) v1(83.39,110.45) v1(83.39,108.8) v1(84.3,83.6)
Board_3-Net-(C2-Pad1): length 50.2
  Top w0.25: 78.99,76.89 78.99,80.94 79.56,81.52 C3#2.2 81.53,81.52 81.7,81.69 81.7,86.8 ; 78.99,76.89 80.38,76.89 D2#5.2 ; 78.99,76.89 77,76.89 U1.3
  Top w0.254: 68.41,96.53 70.81,96.53 70.82,96.52 71.75,96.52 72.09,96.86 72.09,100.67 72.52,101.1 SW2#3.2 ; 81.7,86.8 80.9,87.6 80.9,90.7 81.4,91.2 v1(81.4,95.3) ; SW2#3.2 SW2#3.2 ; SW2#3.2 75.6,101.1 v1(75.65,101.05)
  Bottom w0.254: v1(81.4,95.3) 75.65,101.05 v1(75.65,101.05)
Board_3-Net-(C3-Pad1): length 4.3
  Top w0.25: R11#2.2 82.47,81.5 82.11,81.14 82.11,79.87 81.85,79.62 C3#2.1
Board_3-Net-(H1-Pad1): length 4.2
  Bottom w0.293: J3#2.1 77.44,115.11 U2.10
Board_3-Net-(LED1-Pad2): length 3.9
  Top w0.254: LED1#6.2 62.16,98.4 62.44,98.13 62.44,96.86 62.77,96.53 63.58,96.53
Board_3-Net-(LED2-Pad2): length 2.4
  Top w0.254: LED2#3.2 75.65,98.39
Board_3-Net-(R10-Pad2): length 20.5
  Top w0.254: SW1#4.1 SW1#4.1 80.93,97.45 80.01,96.52 78.8,96.52 78.8,90.3 78.09,89.59 U1.13
Board_3-SCL: length 9.1
  Top w0.254: 90.93,100.43 90.93,98.49 90.89,98.44 91.97,98.44 92.35,98.06 92.35,94.83 91.78,94.25 91.78,92.79
Board_3-SCL_L: length 70.3
  Top w0.254: 78.59,83.24 77,83.24 U1.8 75.04,83.24 74.6,82.8 74.6,78.3 73.19,76.89 59.75,76.89 ; 78.59,83.24 78.59,84.26 78.34,84.51 U1.9 ; 78.59,83.24 v1(80.44,83.24) ; v1(88.97,102.43) 89.98,102.43 89.98,104.23 90.15,104.41 91.14,104.41
  Bottom w0.254: v1(88.97,102.43) 88.97,89.47 82.74,83.24 v1(80.44,83.24) 80.44,82.66 83.56,79.54 J5#3.1
Board_3-SDA: length 9.4
  Top w0.254: 94.92,100.43 94.92,98.47 94.95,98.44 93.81,98.44 93.36,98 93.36,95.02 94.31,94.06 J2#3.7
Board_3-SDA_L: length 83
  Top w0.254: U1.11 75.35,87.05 75,86.7 75,85.78 ; 95.13,104.41 94.17,104.41 93.97,104.21 93.97,101.72 93.68,101.43 v1(87.5,101.43) ; U1.33 61.4,80.7 62.1,80 62.1,78.7 62.9,77.9 72.7,77.9 73.6,78.8 73.6,85.2 74.18,85.78 75,85.78 ; 75,85.78 75,85.78 79.12,85.78 v1(79.12,85.78)
  Bottom w0.254: v1(87.5,101.43) 87.5,89.4 83.88,85.78 v1(79.12,85.78) 79.12,82.08 82.2,79 82.2,69.86 J5#3.3
Board_4-+3V3: length 41.8
  Top w0.25: J4#4.5 10.39,48.05 J1#3.4 ; 33.47,14.72 33.47,16.66 34.19,17.38 D2#4.1
  Top w0.254: v1(46.65,43.71) 46.8,43.71 47.57,42.93 ; v1(17.69,40.15) 17.69,38.9 15.28,38.9 ; 42.84,46.78 v1(44.78,46.78) 46.83,46.78 ; v1(28.87,36.98) 27.38,36.98 27.35,37.01 ; v1(44.5,43) 44.43,42.93 43.58,42.93 ; 22.52,38.89 v1(22.52,40.15) ; SW1#6.2 SW1#6.2
  Top w0.813: 33.47,14.72 32.6,14.72 ; v1(30.14,16.15) 30.12,16.12 U1#4.2
  Top w1.473: v1(36.7,29.2) v1(34.5,29.2) ; C4#2.1 v1(35.6,29.2)
  Bottom w0.406: v1(37.1,30.9) 37.14,30.94 U2#2.1
  vias: v1(32.6,14.72) v1(36.36,44.6)
